# Altium PCB ruler.PcbDoc (part 3 of 3)
Units mm, origin at the board's own origin, x right, y up, seen from the top; angles counter-clockwise.
Board outline 306.81 x 38.35 mm, 2 copper layers (Top Layer, Bottom Layer); 47 components, 0 nets, 446 pads, 8 vias.
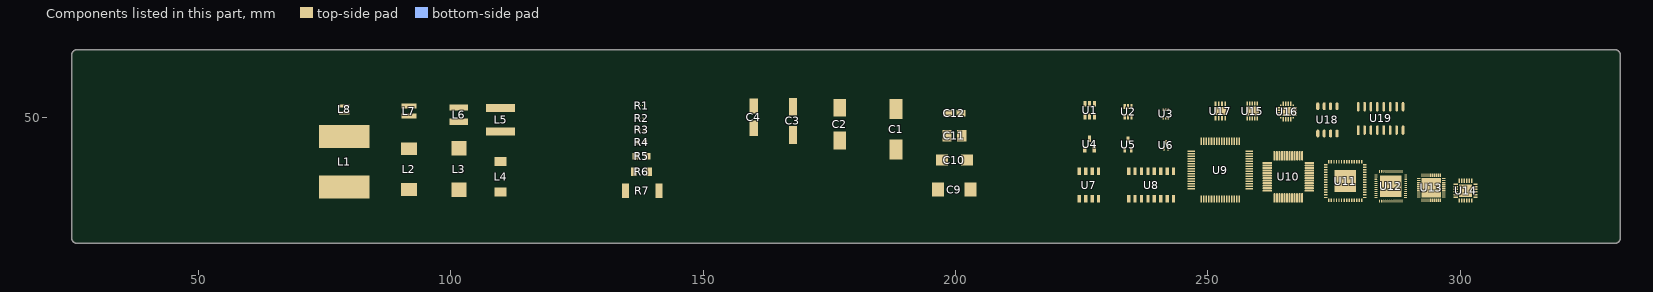
[diagram p3: the components of this part, seen from the top]

## Silkscreen, mask and mechanical layers (free items; w line width, h text height)
Top Overlay:
  drawing of 87 lines, arcs and shapes, not listed
  text "SOT23-6" at 222.958,54.175 h1
  text "SOT363" at 230.959,54.175 h1
  text "SOT563-6" at 237.944,54.175 h1
  text "DFN8" at 250.771,54.175 h1
  text "DFN10" at 256.613,54.175 h1
  text "QFN20" at 263.344,54.175 h1
  text "SOP8" at 271.853,54.175 h1
  text "SOP16" at 281.759,54.175 h1
  text "DIP8" at 295.602,54.175 h1
  text "+" at 176.683,54.128 h1.22
  text "+" at 187.732,54.128 h1.22
  text "EIA mm/in" at 123.898,54.048 h1
  text "EIA mm/in" at 206.575,53.794 h1
  text "D50" at 155.648,53.667 h1
  text "D60" at 163.649,53.667 h1
  text "D80" at 172.412,53.667 h1
  text "D100" at 183.08,53.667 h1
  text "6X6" at 108.531,53.54 h1
  text "4X4" at 100.403,53.413 h1
  text "2X2" at 77.543,53.286 h1
  text "3X3" at 90.37,53.286 h1
  text "0402/01005" at 123.39,51.889 h1
  text "COOPER UNION" at 26.943,51.454 h2.5
  text "1.0 mm" at 312.093,49.77 h1 r90
  text "0.1 mm" at 322.38,49.77 h1 r90
  text "0.5 mm" at 314.252,49.603 h1 r90
  text "0.4 mm" at 316.284,49.603 h1 r90
  text "0.3 mm" at 318.316,49.603 h1 r90
  text "0.2 mm" at 320.348,49.603 h1 r90
  text "0603/0201" at 123.973,49.349 h1
  text "A Case / 3216/1206" at 206.455,49.149 h1
  text "By: CY EE'28" at 44.904,48.92 h1
  text "PCB LAB" at 27.07,47.39 h2.5
  text "RH EE'25" at 48.714,47.317 h1
  text "SOT23-3" at 223.212,47.19 h1
  text "SOT323" at 231.213,47.19 h1
  text "SOT723" at 238.833,47.19 h1
  text "1005/0402" at 123.89,47.063 h1
  text "QFP64" at 250.39,47.063 h1
  text "B Case / 3528/1411" at 206.367,44.577 h1
  text "1608/0603" at 123.89,44.523 h1
  text "QFP48" at 263.725,44.269 h1
  text "Width" at 309.761,43.988 h2.5 r90
  text "TH100" at 157.553,43.888 h1
  text "+" at 164.618,43.206 h1.22
  text "QFN56" at 275.028,42.745 h1
  text "ICs" at 221.623,42.088 h2.5 r90
  text "TH80" at 169.364,41.983 h1
  text "2012/0805" at 123.89,41.729 h1
  text "+" at 175.921,41.428 h1.22
  text "RLC" at 121.139,41.167 h2.5 r90
  text "SO16" at 236.801,40.713 h1
  text "QFN48" at 284.045,40.713 h1
  text "13X13" at 76.654,40.586 h1
  text "SO08" at 224.609,40.586 h1
  text "TH60" at 179.143,39.951 h1
  text "QFN40" at 292.046,39.951 h1
  text "C Case / 6032/2412" at 205.99,39.751 h1
  text "EIA mmxmm" at 68.634,39.443 h1 r90
  text "+" at 184.684,39.396 h1.22
  text "10X10" at 89.481,39.316 h1
  text "10X7" at 99.895,39.316 h1
  text "TH50" at 187.271,39.189 h1
  text "QFN24" at 298.777,38.935 h1
  text "+" at 192.558,38.761 h1.22
  text "3216/1206" at 123.973,38.681 h1
  text "7X7" at 108.531,37.665 h1
  text "6332/2512" at 123.89,34.933 h1
  text "D Case / 7343/2913" at 205.736,34.163 h1
  text "Inductors" at 66.021,33.775 h2.5 r90
  text "Line" at 309.888,33.726 h2.5 r90
  text "^ PCB files" at 27.124,33.474 h1
  text "Polarized  / Caps" at 154.686,33.383 h2.5 r90
Bottom Overlay:
  drawing of 1099 lines, arcs and shapes, not listed
  text "Trace" at 291.265,60.271 h1
  text "Convolution" at 166.424,59.89 h1
  text "Scientific Notation" at 217.351,59.89 h1
  text "OpAmp Configurations" at 100.638,59.842 h1
  text "Power Triangle" at 132.007,59.842 h1
  text "Frequency" at 184.789,59.832 h1.2
  text "Schematic Symbols" at 249.051,59.832 h1.2
  text "Filters" at 67.441,59.813 h1.2
  text "Time" at 194.06,59.813 h1.2
  text "Gaussian Distribution" at 47.298,59.763 h1
  text "Induct." at 141.786,59.763 h1
  text "Cap." at 148.771,59.715 h1
  text "Logic Gates" at 277.88,59.705 h1.2
  text "dB Math" at 113.485,59.636 h1
  text "Unit Conversion" at 310.442,59.382 h1
  text "(mm)" at 316.157,59.001 h1
  text "DIA" at 319.586,59.001 h1
  text "AWG" at 323.65,59.001 h1
  text "HOLE" at 329.111,59.001 h1
  text "Imax" at 287.582,57.985 h1
  text "Width" at 293.424,57.985 h1
  text "peta (P)" at 216.843,57.302 h1
  text "15" at 204.611,57.223 h1
  text "1mm = 39.4mil" at 309.245,56.388 h1
  text "Laplace Transform" at 169.218,56.159 h1
  text "0.6A" at 287.455,55.445 h1
  text "0.2mm" at 293.678,55.445 h1
  text "+" at 85.652,55.024 h1
  text "+" at 98.098,54.897 h1
  text "3.26" at 318.062,54.81 h1
  text "8" at 322.634,54.81 h1
  text "12" at 204.611,54.556 h1
  text "tera (T)" at 216.843,54.556 h1
  text "1in = 1000mil" at 309.118,53.369 h1
  text "S (VA)" at 128.094,53.238 h1 r325
  text "Cosine wave" at 196.904,53.159 h1
  text "Single Freq." at 184.458,53.111 h1
  text "-" at 85.652,53.04 h1
  text "-" at 98.098,52.913 h1
  text "0.8A" at 287.455,52.905 h1
  text "0.3mm" at 293.678,52.882 h1
  text "Transformer" at 230.432,52.27 h1
  text "Inductor" at 239.068,52.27 h1
  text "Capacitor" at 249.355,52.27 h1
  text "Resistor" at 258.626,52.27 h1
  text "Fourier Transform" at 169.345,52.143 h1
  text "giga (G)" at 216.843,51.841 h1
  text "9" at 203.778,51.762 h1
  text "Buffer" at 279.454,51.381 h1
  text "NOT" at 268.405,51.254 h1
  text "Q (VAR)" at 119.199,51 h1 r270
  text "Time Constant" at 149.025,50.746 h1
  text "1.0A" at 287.372,50.365 h1
  text "2.59" at 318.062,50.365 h1
  text "0.4mm" at 293.678,50.319 h1
  text "10" at 323.051,50.238 h1
  text "1in = 25.4mm" at 309.118,50.097 h1
  text "P (W)" at 126.419,49.984 h1
  text "mega (M)" at 216.97,49.174 h1
  text "6" at 203.778,48.968 h1
  text "Follower" at 87.938,48.714 h1
  text "Comparator" at 101.4,48.666 h1
  text "Low Pass" at 74.476,48.587 h1
  text "High Pass" at 61.268,48.539 h1
  text "+" at 238.633,48.514 h1.52
  text "+" at 248.412,48.26 h1.52
  text "Inverse Fourier" at 168.202,48.206 h1
  text "+" at 258.318,48.133 h1.52
  text "1.2A" at 287.372,47.756 h1
  text "0.5mm" at 293.678,47.756 h1
  text "Impedance" at 129.594,47.523 h1
  text "Charging Cap." at 148.898,46.888 h1
  text "Square wave" at 196.523,46.888 h1
  text "Odd Harmonics" at 184.839,46.809 h1
  text "1mil = 0.0254mm" at 310.642,46.824 h1
  text "12" at 323.051,46.555 h1
  text "kilo (k)" at 216.589,46.428 h1
  text "2.05" at 318.062,46.428 h1
  text "3" at 203.778,46.301 h1
  text "1.4A" at 287.372,45.193 h1
  text "0.6mm" at 293.678,45.193 h1
  text "Diode" at 257.356,43.888 h1
  text "Switch" at 228.019,43.84 h1
  text "Thyristor" at 239.195,43.84 h1
  text "LED" at 246.815,43.84 h1
  text "base unit" at 217.478,43.634 h1
  text "F = (C*9/5)+32" at 310.515,43.552 h1
  text "0" at 203.778,43.507 h1
  text "NOR" at 268.151,43.38 h1
  text "OR" at 277.803,43.253 h1
  text "14" at 323.051,43.126 h1
  text "1.63" at 317.935,42.999 h1
  text "Discharging Cap." at 150.168,42.951 h1
  text "Expected Value" at 167.821,42.697 h1
  text "1.5A" at 287.372,42.63 h1
  text "0.7mm" at 293.678,42.63 h1
  text "Squared Error" at 44.708,42.306 h1.2
  text "S" at 222.885,41.656 h1
  text "D" at 232.156,41.656 h1
  text "E" at 242.824,41.529 h1
  text "C" at 253.238,41.402 h1
  text "-2" at 204.778,40.967 h1
  text "centi (c)" at 217.478,40.967 h1
  text "1kWh = 3.6e6J" at 310.261,40.563 h1
  text "Signals" at 113.656,40.538 h1
  text "Sinc" at 193.469,40.369 h1
  text "Band Freq." at 183.309,40.321 h1
  text "1.02" at 317.935,40.205 h1
  text "18" at 323.051,40.205 h1
  text "1.6A" at 287.372,40.066 h1
  text "0.8mm" at 293.678,40.066 h1
  text "G" at 230.124,39.37 h1
  text "B" at 248.031,39.37 h1
  text "B" at 258.191,39.37 h1
  text "G" at 239.395,39.243 h1
  text "+" at 85.017,38.895 h1
  text "Power Eqs." at 129.975,38.379 h1
  text "milli (m)" at 217.224,38.3 h1
  text "-3" at 204.778,38.173 h1
  text "-" at 85.017,37.927 h1
  text "0.81" at 318.062,37.665 h1
  text "20" at 323.134,37.665 h1
  text "2.0A" at 287.455,37.503 h1
  text "1.0mm" at 293.678,37.503 h1
  text "Band Stop" at 60.887,37.49 h1
  text "Band Pass" at 74.603,37.411 h1
  text "Total Prob Theorem" at 169.98,37.284 h1
  text "E" at 253.238,37.211 h1
  text "D" at 222.885,37.084 h1
  text "C" at 242.824,37.084 h1
  text "1HP = 746W" at 308.61,37.084 h1
  text "S" at 232.283,36.957 h1
  text "Maxwell's Eqs." at 148.742,36.855 h1
  text "-" at 96.701,36.657 h1
  text "+" at 96.701,35.72 h1
  text "PMOS" at 227.257,35.633 h1
  text "NMOS" at 237.036,35.633 h1
  text "PNP" at 246.307,35.633 h1
  text "NPN" at 256.594,35.633 h1
  text "-6" at 204.778,35.506 h1
  text "micro (u)" at 217.732,35.506 h1
  text "NAND" at 268.659,35.252 h1
  text "AND" at 278.438,35.252 h1
  text "22" at 323.134,35.125 h1
  text "0.65" at 318.062,34.998 h1
  text "2.2A" at 287.455,34.94 h1
  text "1.2mm" at 293.678,34.94 h1
  text "Gaussian" at 182.553,33.728 h1
  text "Gaussian" at 195.126,33.728 h1
  text "Bayes' Theorem" at 167.567,33.553 h1
  text "1oz = 28.35g" at 309.499,33.401 h1
  text "C" at 253.111,33.02 h1
  text "-9" at 204.778,32.839 h1
  text "nano (n)" at 216.97,32.839 h1
  text "24" at 323.134,32.585 h1
  text "Non-Invert." at 90.894,32.458 h1
  text "0.51" at 318.062,32.458 h1
  text "Inverting" at 101.237,32.41 h1
  text "2.6A" at 287.455,32.377 h1
  text "1.5mm" at 293.678,32.377 h1
  text "B" at 258.699,30.861 h1
  text "pico (p)" at 216.843,30.251 h1
  text "-12" at 205.611,30.045 h1
  text "3.2A" at 287.455,29.814 h1
  text "2.0mm" at 293.678,29.814 h1
  text "Entropy" at 164.138,29.362 h1
  text "E" at 253.111,28.829 h1
  text "20 dB/dec roll off per order" at 77.216,28.321 h1
  text "-15" at 205.611,27.378 h1
  text "femto (f)" at 217.605,27.378 h1
  text "XNOR" at 268.786,27.378 h1
  text "XOR" at 278.438,27.378 h1
  text "IGBT" at 256.921,27.327 h1
  text "DC Curr." at 229.035,27.251 h1
  text "DC Volt." at 248.72,27.251 h1
  text "6.3A" at 287.455,27.251 h1
  text "2.5mm" at 293.678,27.251 h1
  text "AC Volt." at 238.522,27.231 h1
Top Solder:
  drawing of 2187 lines, arcs and shapes, not listed
  text "1" at 34.794,57.527 h1.52
  text "2" at 44.192,57.527 h1.52
  text "3" at 54.098,57.527 h1.52
  text "4" at 64.131,57.527 h1.52
  text "5" at 74.164,57.527 h1.52
  text "6" at 84.197,57.527 h1.52
  text "7" at 94.103,57.527 h1.52
  text "8" at 104.009,57.527 h1.52
  text "9" at 114.042,57.527 h1.52
  text "10" at 122.805,57.527 h1.52
  text "11" at 133.473,57.527 h1.52
  text "12" at 142.871,57.527 h1.52
  text "13" at 152.904,57.527 h1.52
  text "14" at 162.937,57.527 h1.52
  text "15" at 172.97,57.527 h1.52
  text "16" at 183.003,57.527 h1.52
  text "17" at 192.909,57.527 h1.52
  text "18" at 202.942,57.527 h1.52
  text "19" at 212.975,57.527 h1.52
  text "20" at 222.754,57.527 h1.52
  text "21" at 233.168,57.527 h1.52
  text "22" at 242.566,57.527 h1.52
  text "23" at 252.726,57.527 h1.52
  text "24" at 262.505,57.527 h1.52
  text "25" at 272.538,57.527 h1.52
  text "26" at 282.571,57.527 h1.52
  text "27" at 292.604,57.527 h1.52
  text "28" at 302.51,57.527 h1.52
  text "29" at 312.543,57.527 h1.52
  text "30" at 322.576,57.527 h1.52
  text "mm" at 26.539,57.4 h1
  text "CENTIMETERS" at 25.777,55.495 h1
  text "INCHES" at 25.777,31.619 h1
  text "16th" at 26.539,29.968 h1
  text "1" at 50.034,29.46 h1.52
  text "2" at 74.926,29.46 h1.52
  text "3" at 100.326,29.46 h1.52
  text "4" at 125.726,29.46 h1.52
  text "5" at 151.126,29.46 h1.52
  text "6" at 176.399,29.46 h1.52
  text "7" at 201.799,29.46 h1.52
  text "8" at 227.199,29.46 h1.52
  text "9" at 252.599,29.46 h1.52
  text "10" at 276.729,29.46 h1.52
  text "11" at 302.51,29.46 h1.52
  text "12" at 327.402,29.46 h1.52
Mechanical 1:
  the board outline again, w0.254

## Text inside footprints (layer, text, board x,y; h text height)
C3: Top Overlay "+" at 168.267,54.126 h1.22 r90
C4: Top Overlay "+" at 160.52,54.038 h1.22 r90